# Altium PCB PCBDesign.PcbDoc (part 7 of 8) (continued)
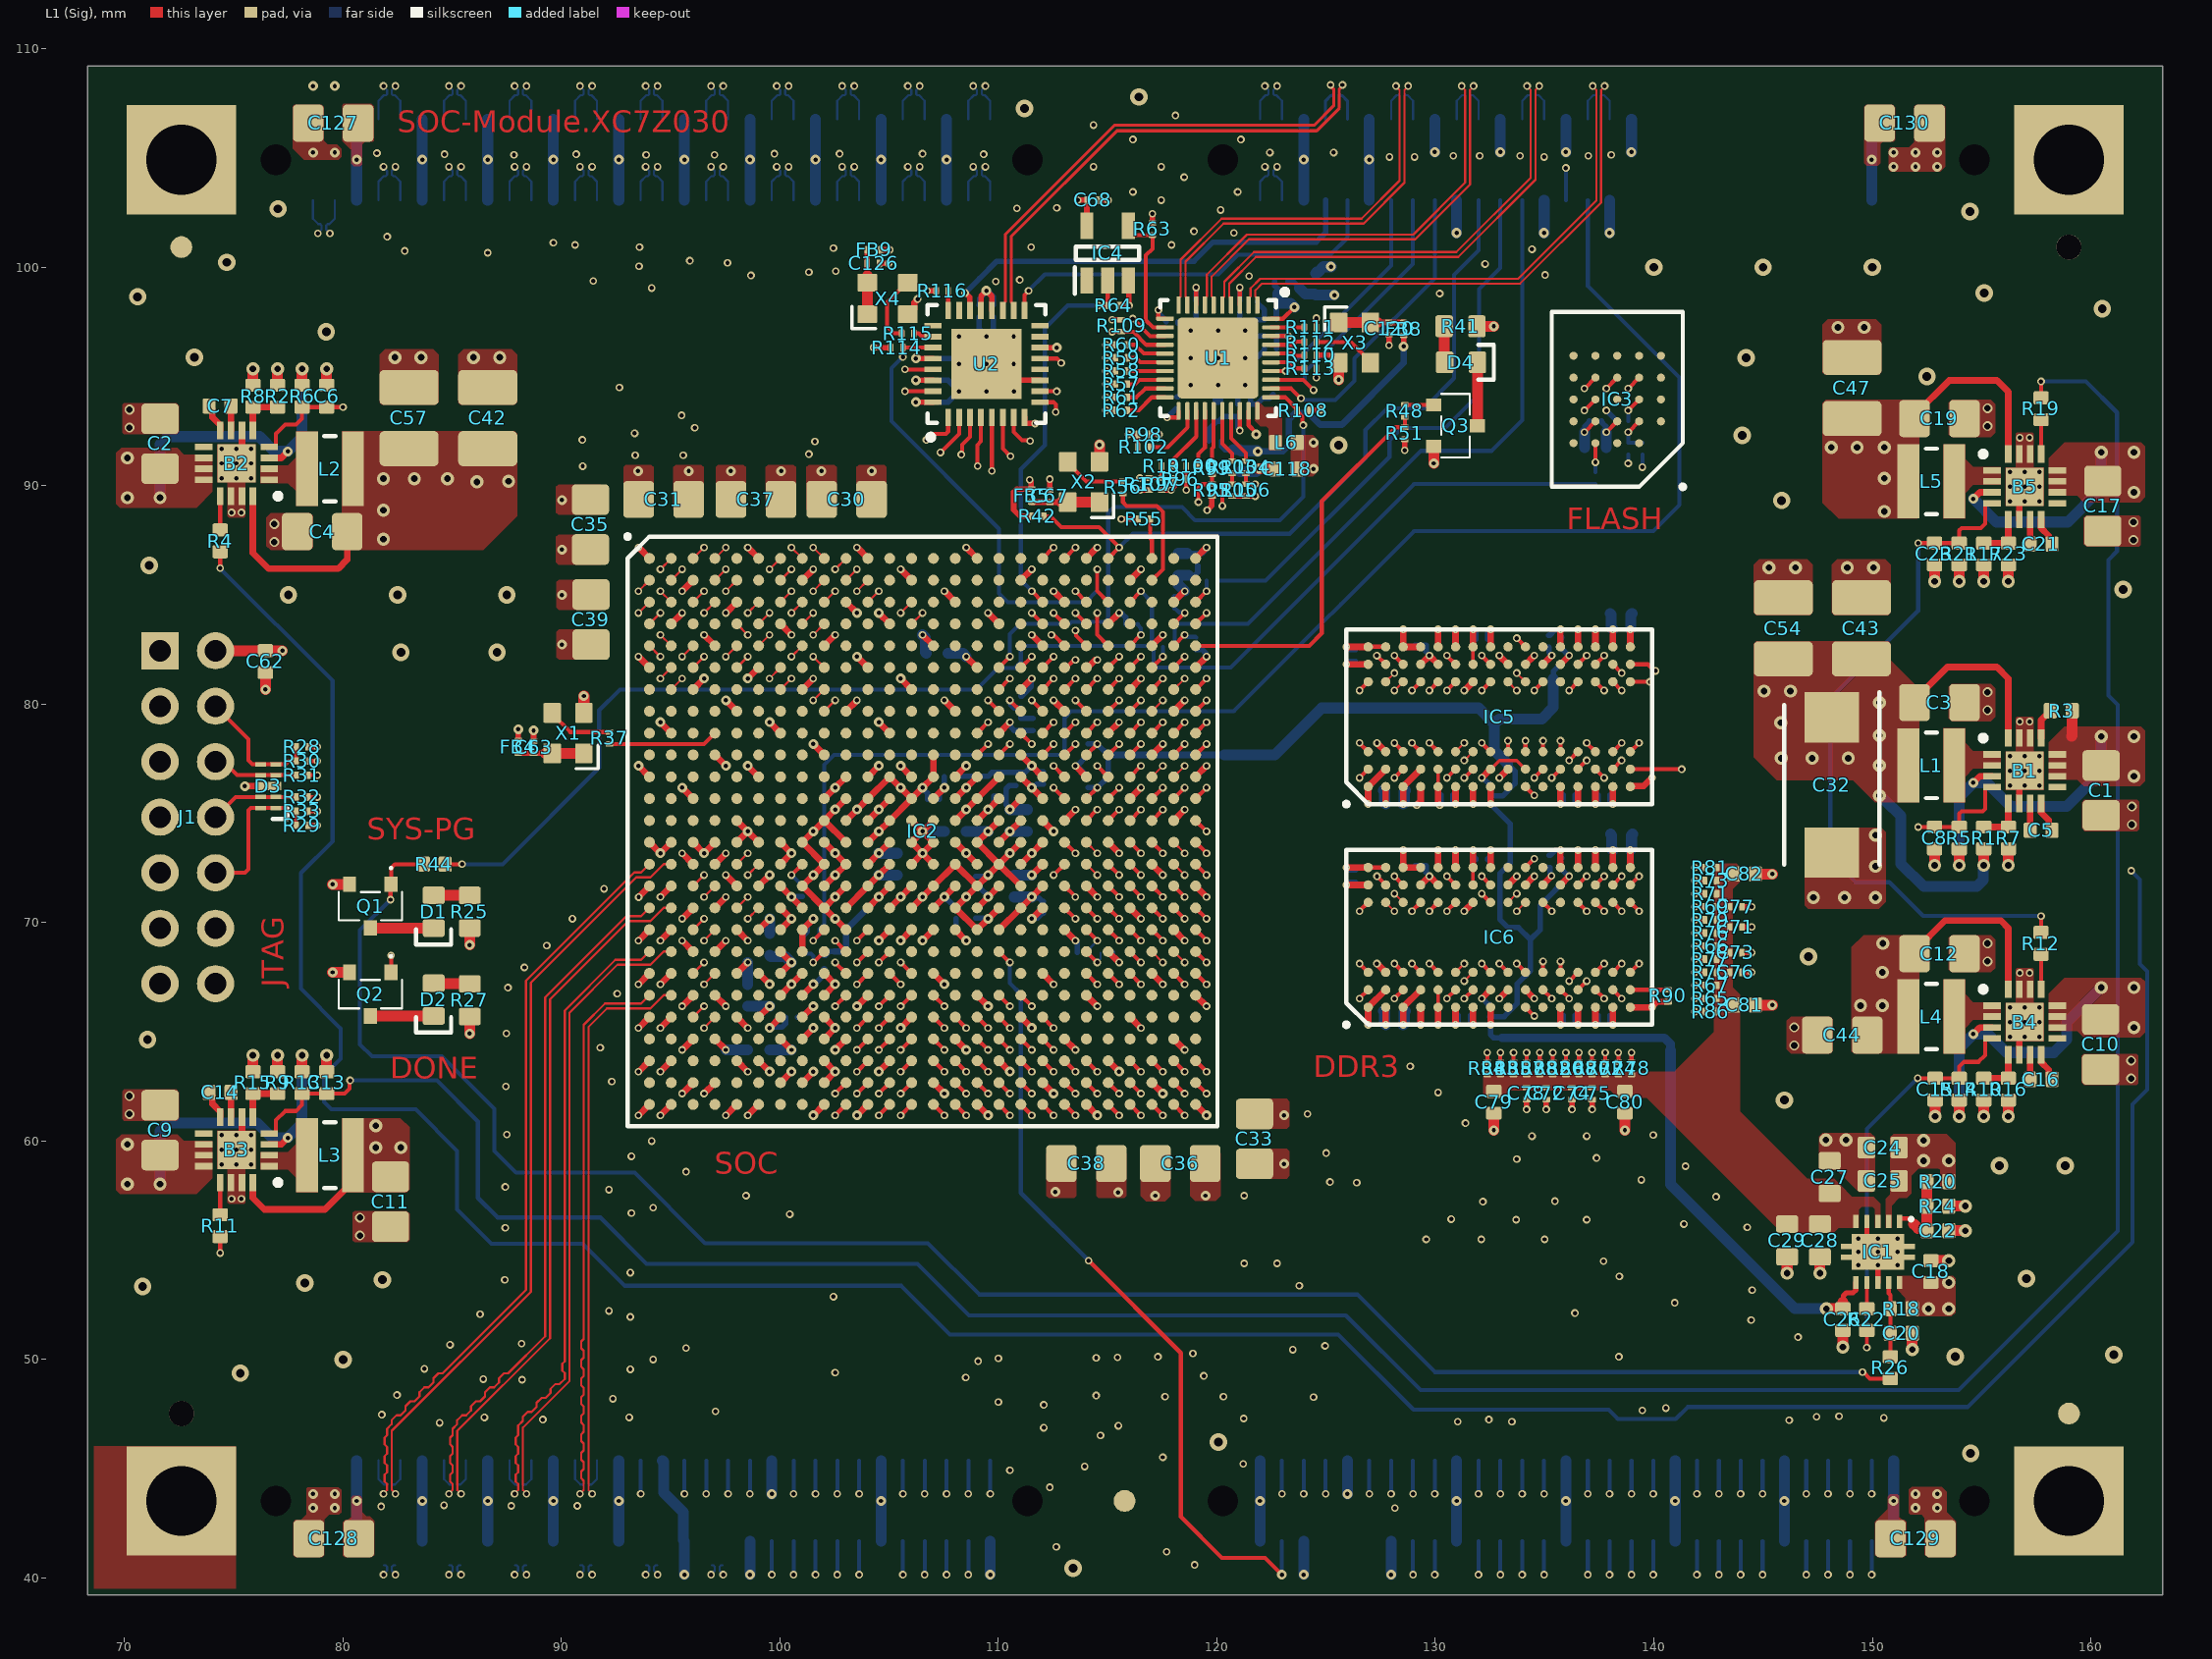
[diagram p0: L1 (Sig) view]
## Nets (pads, with @x,y where several pads share a name; then routed paths per layer and width w, separated by ;. In a path a pad name is that pad's centre, name@x,y a point inside that pad or via, vN(x,y) a via of type N, cw(c..) or ccw(c..) an arc to the next point about the centre after c; other vN are vias at no path point) (continued)
  other v1: 118.975,40.6 117.7,41.2 112.65,41.425 128.15,43.2 81.75,43.275 87.7,43.3 90.725,43.3 84.625,43.325 112.35,44.15 110.525,44.925 113.95,45.1 121.2,45.225 117.525,45.525 114.675,46.525 112.075,46.875 115.491,46.966 84.425,47.1 131.025,47.15 133.5,47.15 146.2,47.225 89.15,47.25 132.45,47.25 121.225,47.3 150.525,47.325 86.475,47.35 93.1,47.35 147.45,47.375 148.475,47.4 81.775,47.475 97.05,47.625 139.475,47.675 140.55,47.775 112.075,47.925 110,48.05 92.35,48.2 124.425,48.275 117.625,48.3 120.3,48.3 114.475,48.35 82.475,48.375 88.2,49.075 86.425,49.1 108.5,49.175 119.4,49.25 102.525,49.4 93.15,49.55 83.725,49.575 109.075,49.925 94.2,50 110,50.05 114.475,50.075 115.45,50.1 117.3,50.125 138.4,50.125 118.9,50.275 123.475,50.45 95.7,50.525 124.95,50.625 84.9,50.675 88.175,50.725 146.6,51.025 144.45,51.8 93.15,51.95 86.275,52.075 136.385,52.126 92.175,52.225 140.95,52.6 102.45,52.875 144.5,53.175 123.775,53.375 87.4,53.65 138.425,53.8 93.15,53.975 149.35,54.325 151.15,54.325 121.25,54.4 122.75,54.4 137.7,54.5 149.35,54.925 151.15,54.925 129.575,55.5 132.1,55.5 135,55.5 149.35,55.525 150.25,55.525 151.15,55.525 87.425,56.025 144.275,56.05 141.375,56.2 133.7,56.4 136.925,56.4 130.725,56.425 100.45,56.65 93.2,56.7 94.2,56.95 132.175,57.225 135.475,57.25 74.9,57.35 75.35,57.35 142.85,57.45 98.45,57.5 121.25,57.5 92.175,57.775 87.425,57.9 126.4,58.1 125.175,58.125 139.425,58.225 95.7,58.6 141.45,58.85 74.45,58.925 75.125,58.925 75.8,58.925 133.725,59.175 137.375,59.225 93.2,59.3 125,59.45 74.45,59.6 75.8,59.6 94.125,60 134.425,60.225 136.925,60.225 74.45,60.273 75.125,60.273 75.8,60.273 139.975,60.275 87.5,60.3 131.375,60.825 124.15,61.243 130.125,62.225 87.45,62.5 92.3,62.725 128.85,63.425 91.775,64.275 156.3,64.777 156.975,64.777 157.65,64.777 87.475,64.925 156.3,65.45 157.65,65.45 156.3,66.125 156.975,66.125 157.65,66.125 92.55,66.75 87.55,67.025 156.75,67.7 157.2,67.7 88.3,67.95 89.325,68.95 90.5,70.175 91.95,71.55 156.3,76.277 156.975,76.277 157.65,76.277 156.3,76.95 157.65,76.95 156.3,77.625 156.975,77.625 157.65,77.625 156.75,79.2 157.2,79.2 74.9,88.775 75.35,88.775 156.3,89.277 156.975,89.277 157.65,89.277 156.3,89.95 157.65,89.95 74.45,90.35 75.125,90.35 75.8,90.35 156.3,90.625 156.975,90.625 157.65,90.625 90.971,90.896 74.45,91.025 75.8,91.025 93.375,91.4 95.575,91.4 101.325,91.45 74.45,91.698 75.125,91.698 75.8,91.698 101.6,92.025 90.95,92.1 156.75,92.2 157.2,92.2 93.35,92.4 96.1,92.65 95.5,93.225 109.45,94.325 110.702,94.325 92.65,94.5 110.7,95.575 118.8,95.85 120.05,95.85 108.2,96.825 110.7,96.825 120.05,97.1 130.2,98.8 94.125,99.05 109.875,99.35 91.45,99.375 110.975,99.425 121.475,99.6 98.675,99.625 135.025,99.65 101.325,99.775 102.55,99.825 93.55,100.05 132.275,100.15 97.6,100.2 95.875,100.3 86.625,100.664 82.825,100.75 134.425,100.825 102.45,100.875 93.575,100.925 111.5,100.925 90.625,101.025 117.925,101.025 89.625,101.127 82.025,101.4 120.775,101.577 118.95,101.65 120.175,102.625 110.85,102.7 112.675,102.725 117.45,103.075 116.158,103.45 120.95,103.45 118.5,104.125 114.35,104.6 117.45,104.6 127.9,105.05 129.05,105.05 134.975,105.05 130.825,105.1 132.025,105.1 133.875,105.1 137,105.1 87.825,105.15 93.875,105.15 97,105.15 138.05,105.15 84.65,105.175 90.675,105.175 109.325,105.175 99.75,105.2 102.725,105.2 106.525,105.2 81.55,105.225 122.425,105.25 125.345,105.25 116.158,105.85 121.1,105.85 114.35,106.51 118.1,106.95
  other v2: 117.175,57.5 115.475,57.65 123.075,61.175 102.525,73.175 108.525,73.175 105.525,76.175 90.025,85 90.025,89.35 93.508,90.675 100.05,90.675 104.2,90.675
  other v3: 147.875,60.05 148.8,60.05 147.3,71.15 148.725,71.15 150.15,71.15 150.15,72.575 150.15,74 145.275,86.25 146.475,86.25 148.85,86.25 150.05,86.25 82.375,95.875 83.575,95.875 85.975,95.875 87.175,95.875 148.425,97.25 149.625,97.25
  other v4: 113.425,40.45 154.5,45.7 120.075,46.225 75.3,49.375 80,50 153.8,50.125 161.05,50.225 70.825,53.35 78.25,53.5 81.8,53.65 157.05,53.7 155.825,58.875 158.825,58.875 145.975,61.875 71.05,64.65 147.075,68.45 82.65,82.375 87.05,82.375 77.5,85 82.5,85 87.5,85 161.475,85.25 71.125,86.35 145.85,89.325 125.575,91.85 144.05,92.3 152.5,95 144.225,95.85 73.2,95.875 79.235,97.05 160.525,98.1 70.6,98.65 155.125,98.825 140,100 145,100 150,100 74.675,100.225 154.475,102.55 77.025,102.675 111.2,107.275 116.425,107.8
  other v5: 80.775,55.675 80.775,56.5 70.225,61.236 70.225,62.061 161.85,62.864 161.85,63.689 146.425,64.375 146.425,65.2 155.275,68.225 155.275,69.05 161.875,74.489 161.875,75.314 155.275,79.725 155.275,80.55 76.85,87.425 161.95,87.514 76.85,88.25 161.95,88.339 70.225,92.661 155.275,92.725 70.225,93.486 155.275,93.55
INIT_B: IC2.R8 R34.1 | length 1.4
  L1 (Sig) w0.185: v1(100.525,72.175) IC2.R8@101.025,72.675
  L10 (Sig) w0.185: v1(100.525,72.175) 100.55,72.175 100.975,71.75 R34.1@101.025,71.75
JTAG_TCK: D3.47 J1.6 R31.1 | length 3.9
  L1 (Sig) w0.185: J1.6@74.165,77.365 74.53,77.365 75.145,76.75 D3.47@76.225,76.75 D3.47@76.925,76.75 R31.1@77.85,76.75
JTAG_TDI: D3.110 J1.10 R29.1 R33.1 | length 7.2
  L1 (Sig) w0.185: J1.10@74.165,72.285 75.51,72.285 75.675,72.45 75.675,75.142 75.783,75.25 D3.110@76.225,75.25 D3.110@76.925,75.25 77.375,75.25 77.525,75.1 R33.1@77.85,75.1 R29.1@77.85,74.45
JTAG_TDO: D3.29 J1.8 R32.1 | length 4.1
  L1 (Sig) w0.185: J1.8@74.165,74.825 75.09,75.75 D3.29@76.225,75.75 D3.29@76.925,75.75 R32.1@77.85,75.75
JTAG_TMS: D3.56 J1.4 R28.1 R30.1 | length 6.1
  L1 (Sig) w0.185: J1.4@74.165,79.905 75.675,78.395 75.675,77.425 75.85,77.25 D3.56@76.225,77.25 D3.56@76.925,77.25 77.375,77.25 77.525,77.4 R30.1@77.85,77.4 R28.1@77.85,78.05
MGT_REFCLK_0_N: IC2.R5 J5.33 | length 41.4
  L1 (Sig) w0.1: IC2.R5@98.025,72.675 v1(98.525,73.175)
  L3 (Sig) w0.09: v1(93.85,40.15) 93.85,40.178 94.005,40.333 94.005,41.796 94.005,42.451 93.035,43.421 93.035,46.176 91.575,47.636 91.575,63.089 92.261,63.775 96.31,63.775 96.91,64.375 96.91,72.479 97.226,72.795 98.472,72.795 98.525,72.848 v1(98.525,73.175)
  L10 (Sig) w0.1: v1@93.85,40.169 94.015,40.334 94.015,40.516 93.956,40.575 J5.33@93.875,40.575
MGT_REFCLK_0_P: IC2.R6 J5.31 | length 41.4
  L1 (Sig) w0.1: v1(98.525,72.175) IC2.R6@99.025,72.675
  L3 (Sig) w0.09: v1(94.4,40.15) 94.4,40.178 94.245,40.333 94.245,40.595 94.4,40.75 94.4,41.05 94.245,41.205 94.245,41.505 94.4,41.66 94.4,41.96 94.245,42.115 94.245,42.55 94.075,42.72 94.075,42.975 93.85,43.2 93.595,43.2 93.275,43.52 93.275,46.275 91.815,47.735 91.815,62.99 92.36,63.535 96.409,63.535 97.15,64.276 97.15,72.38 97.325,72.555 98.472,72.555 98.525,72.502 v1(98.525,72.175)
  L10 (Sig) w0.1: J5.31@94.375,40.575 94.294,40.575 94.235,40.516 94.235,40.334 v1@94.4,40.169
MGT_REFCLK_1_N: IC2.U5 J5.27 | length 39.1
  L1 (Sig) w0.1: IC2.U5@98.025,70.675 v1(98.525,71.175)
  L3 (Sig) w0.09: v1(96.85,40.15) 96.85,40.178 97.005,40.333 97.005,41.506 95.01,43.501 95.01,46.501 92.535,48.976 92.535,61.999 93.336,62.8 97.075,62.8 97.91,63.635 97.91,70.504 98.201,70.795 98.472,70.795 98.525,70.848 v1(98.525,71.175)
  L10 (Sig) w0.1: v1@96.85,40.169 97.015,40.334 97.015,40.516 96.956,40.575 J5.27@96.875,40.575
MGT_REFCLK_1_P: IC2.U6 J5.25 | length 39.1
  L1 (Sig) w0.1: v1(98.525,70.175) IC2.U6@99.025,70.675
  L3 (Sig) w0.09: v1(97.4,40.15) 97.4,40.178 97.245,40.333 97.245,40.595 97.4,40.75 97.4,41.05 97.245,41.205 97.245,41.605 97.075,41.775 97.075,42.025 96.825,42.275 96.575,42.275 96.325,42.525 96.325,42.775 96.075,43.025 95.825,43.025 95.25,43.6 95.25,46.6 92.775,49.075 92.775,61.9 93.435,62.56 97.174,62.56 98.15,63.536 98.15,70.405 98.3,70.555 98.472,70.555 98.525,70.502 v1(98.525,70.175)
  L10 (Sig) w0.1: J5.25@97.375,40.575 97.294,40.575 97.235,40.516 97.235,40.334 v1@97.4,40.169
MGT_RX_0_N: IC2.AB3 J5.39 | length 33.3
  L1 (Sig) w0.1: IC2.AB3@96.025,65.675 v1(96.525,66.175)
  L3 (Sig) w0.09: v1(90.85,40.15) 90.85,40.178 91.005,40.333 91.005,42.905 91.885,43.785 91.885,44.901 90.66,46.126 90.66,64.474 91.981,65.795 96.472,65.795 96.525,65.848 v1(96.525,66.175)
  L10 (Sig) w0.1: v1@90.85,40.169 91.015,40.334 91.015,40.516 90.956,40.575 J5.39@90.875,40.575
MGT_RX_0_P: IC2.AB4 J5.37 | length 33.3
  L1 (Sig) w0.1: v1(96.525,65.175) IC2.AB4@97.025,65.675
  L3 (Sig) w0.09: v1(91.4,40.15) 91.4,40.178 91.245,40.333 91.245,40.595 91.4,40.75 91.4,41.05 91.245,41.205 91.245,41.505 91.4,41.66 91.4,41.96 91.245,42.115 91.245,42.806 91.415,42.976 91.601,42.976 91.895,43.27 91.895,43.456 92.125,43.686 92.125,45 90.9,46.225 90.9,64.375 92.08,65.555 96.472,65.555 96.525,65.502 v1(96.525,65.175)
  L10 (Sig) w0.1: J5.37@91.375,40.575 91.294,40.575 91.235,40.516 91.235,40.334 v1@91.4,40.169
MGT_RX_1_N: IC2.Y3 J5.45 | length 35.3
  L1 (Sig) w0.1: IC2.Y3@96.025,67.675 v1(96.525,68.175)
  L3 (Sig) w0.09: v1(87.85,40.15) 87.85,40.178 88.005,40.333 88.005,42.93 88.885,43.81 88.885,46.285 89.785,47.185 89.785,65.124 92.456,67.795 96.472,67.795 96.525,67.848 v1(96.525,68.175)
  L10 (Sig) w0.1: v1@87.85,40.169 88.015,40.334 88.015,40.516 87.956,40.575 J5.45@87.875,40.575
MGT_RX_1_P: IC2.Y4 J5.43 | length 35.2
  L1 (Sig) w0.1: v1(96.525,67.175) IC2.Y4@97.025,67.675
  L3 (Sig) w0.09: v1(88.4,40.15) 88.4,40.178 88.245,40.333 88.245,40.595 88.4,40.75 88.4,41.05 88.245,41.205 88.245,41.505 88.4,41.66 88.4,41.96 88.245,42.115 88.245,42.831 88.415,43.001 88.626,43.001 88.895,43.27 88.895,43.481 89.125,43.711 89.125,46.186 90.025,47.086 90.025,65.025 92.555,67.555 96.472,67.555 96.525,67.502 v1(96.525,67.175)
  L10 (Sig) w0.1: J5.43@88.375,40.575 88.294,40.575 88.235,40.516 88.235,40.334 v1@88.4,40.169
MGT_RX_2_N: IC2.V3 J5.51 | length 38.2
  L1 (Sig) w0.1: IC2.V3@96.025,69.675 v1(96.525,70.175)
  L3 (Sig) w0.09: v1(84.85,40.15) 84.85,40.178 85.005,40.333 85.005,42.93 85.885,43.81 85.885,46.185 88.885,49.185 88.885,65.724 92.956,69.795 96.472,69.795 96.525,69.848 v1(96.525,70.175)
  L10 (Sig) w0.1: v1@84.85,40.169 85.015,40.334 85.015,40.516 84.956,40.575 J5.51@84.875,40.575
MGT_RX_2_P: IC2.V4 J5.49 | length 38.2
  L1 (Sig) w0.1: v1(96.525,69.175) IC2.V4@97.025,69.675
  L3 (Sig) w0.09: v1(85.4,40.15) 85.4,40.178 85.245,40.333 85.245,40.595 85.4,40.75 85.4,41.05 85.245,41.205 85.245,41.505 85.4,41.66 85.4,41.96 85.245,42.115 85.245,42.831 85.415,43.001 85.701,43.001 85.895,43.195 85.895,43.481 86.125,43.711 86.125,46.086 89.125,49.086 89.125,65.625 93.055,69.555 96.472,69.555 96.525,69.502 v1(96.525,69.175)
  L10 (Sig) w0.1: J5.49@85.375,40.575 85.294,40.575 85.235,40.516 85.235,40.334 v1@85.4,40.169
MGT_RX_3_N: IC2.T3 J5.57 | length 41.2
  L1 (Sig) w0.1: IC2.T3@96.025,71.675 v1(96.525,72.175)
  L3 (Sig) w0.09: v1(81.85,40.15) 81.85,40.178 82.005,40.333 82.005,42.905 82.885,43.785 82.885,46.585 88.01,51.71 88.01,66.499 93.306,71.795 96.472,71.795 96.525,71.848 v1(96.525,72.175)
  L10 (Sig) w0.1: v1@81.85,40.169 82.015,40.334 82.015,40.516 81.956,40.575 J5.57@81.875,40.575
MGT_RX_3_P: IC2.T4 J5.55 | length 41.3
  L1 (Sig) w0.1: v1(96.525,71.175) IC2.T4@97.025,71.675
  L3 (Sig) w0.09: v1(82.4,40.15) 82.4,40.178 82.245,40.333 82.245,40.595 82.4,40.75 82.4,41.05 82.245,41.205 82.245,41.505 82.4,41.66 82.4,41.96 82.245,42.115 82.245,42.806 82.415,42.976 82.701,42.976 82.895,43.17 82.895,43.456 83.125,43.686 83.125,46.486 88.25,51.611 88.25,66.4 93.405,71.555 96.472,71.555 96.525,71.502 v1(96.525,71.175)
  L10 (Sig) w0.1: J5.55@82.375,40.575 82.294,40.575 82.235,40.516 82.235,40.334 v1@82.4,40.169
MGT_TX_0_N: IC2.AA1 J5.40 | length 27.7
  L1 (Sig) w0.1: v1(90.85,43.85) 90.85,43.869 91.015,44.034 91.015,44.45 90.9,44.565 90.9,44.875 91.015,44.99 91.015,45.3 90.9,45.415 90.9,45.725 91.015,45.84 91.015,46.15 90.9,46.265 90.9,46.575 91.015,46.69 91.015,47 90.9,47.115 90.9,47.425 91.015,47.54 91.015,47.85 90.9,47.965 90.9,48.275 91.015,48.39 91.015,48.7 90.9,48.815 90.9,49.125 91.015,49.24 91.015,49.55 90.9,49.665 90.9,49.975 91.015,50.09 91.015,50.4 90.9,50.515 90.9,50.825 91.015,50.94 91.015,65.316 91.994,66.295 93.645,66.295 IC2.AA1@94.025,66.675
  L10 (Sig) w0.1: J5.40@90.625,45.375 90.625,44.525 90.875,44.275 90.956,44.275 91.015,44.216 91.015,44.034 90.85,43.869 v1(90.85,43.85)
MGT_TX_0_P: IC2.AA2 J5.38 | length 27.6
  L1 (Sig) w0.1: v1(91.4,43.85) 91.4,43.869 91.235,44.034 91.235,65.225 92.085,66.075 92.725,66.075 94.075,66.075 94.675,66.675 IC2.AA2@95.025,66.675
  L10 (Sig) w0.1: v1(91.4,43.85) 91.4,43.869 91.235,44.034 91.235,44.216 91.294,44.275 91.375,44.275 91.625,44.525 J5.38@91.625,45.375
MGT_TX_1_N: IC2.W1 J5.46 | length 30.6
  L1 (Sig) w0.1: v1(87.85,43.85) 87.85,43.869 88.015,44.034 88.015,44.3 87.9,44.415 87.9,44.725 88.015,44.84 88.015,45.15 87.9,45.265 87.9,45.575 88.015,45.69 88.015,46 87.9,46.115 87.9,46.425 88.015,46.54 88.015,46.976 88.225,47.186 88.225,47.375 88.45,47.6 88.639,47.6 88.864,47.825 88.864,48.014 89.089,48.239 89.278,48.239 89.503,48.464 89.503,48.653 89.728,48.878 89.917,48.878 90.15,49.111 90.15,49.378 90.035,49.493 90.035,49.803 90.15,49.918 90.15,65.975 92.47,68.295 93.645,68.295 IC2.W1@94.025,68.675
  L10 (Sig) w0.1: J5.46@87.625,45.375 87.625,44.525 87.875,44.275 87.956,44.275 88.015,44.216 88.015,44.034 87.85,43.869 v1(87.85,43.85)
MGT_TX_1_P: IC2.W2 J5.44 | length 30.6
  L1 (Sig) w0.1: v1(88.4,43.85) 88.4,43.869 88.235,44.034 88.235,46.885 90.37,49.02 90.37,65.884 92.561,68.075 92.725,68.075 94.075,68.075 94.215,68.215 94.675,68.675 IC2.W2@95.025,68.675
  L10 (Sig) w0.1: v1(88.4,43.85) 88.4,43.869 88.235,44.034 88.235,44.216 88.294,44.275 88.375,44.275 88.625,44.525 J5.44@88.625,45.375
MGT_TX_2_N: IC2.U1 J5.52 | length 33.6
  L1 (Sig) w0.1: v1(84.85,43.85) 84.85,43.869 85.015,44.034 85.015,44.3 84.9,44.415 84.9,44.725 85.015,44.84 85.015,45.15 84.9,45.265 84.9,45.575 85.015,45.69 85.015,46 84.9,46.115 84.9,46.425 85.015,46.54 85.015,46.826 85.225,47.036 85.225,47.225 85.45,47.45 85.639,47.45 85.864,47.675 85.864,47.864 86.089,48.089 86.278,48.089 86.503,48.314 86.503,48.503 86.728,48.728 86.917,48.728 87.142,48.953 87.142,49.142 87.367,49.367 87.555,49.367 89.255,51.066 89.255,66.58 92.97,70.295 93.645,70.295 IC2.U1@94.025,70.675
  L10 (Sig) w0.1: J5.52@84.625,45.375 84.625,44.525 84.875,44.275 84.956,44.275 85.015,44.216 85.015,44.034 84.85,43.869 v1(84.85,43.85)
MGT_TX_2_P: IC2.U2 J5.50 | length 33.6
  L1 (Sig) w0.1: v1(85.4,43.85) 85.4,43.869 85.235,44.034 85.235,46.735 89.475,50.975 89.475,66.489 92.725,69.739 93.061,70.075 94.075,70.075 94.675,70.675 IC2.U2@95.025,70.675
  L10 (Sig) w0.1: v1(85.4,43.85) 85.4,43.869 85.235,44.034 85.235,44.216 85.294,44.275 85.375,44.275 85.625,44.525 J5.50@85.625,45.375
MGT_TX_3_N: IC2.R1 J5.58 | length 36.6
  L1 (Sig) w0.1: v1(81.85,43.85) 81.85,43.869 82.015,44.034 82.015,44.3 81.9,44.415 81.9,44.725 82.015,44.84 82.015,45.15 81.9,45.265 81.9,45.575 82.015,45.69 82.015,46 81.9,46.115 81.9,46.425 82.015,46.54 82.015,46.826 82.225,47.036 82.225,47.225 82.45,47.45 82.639,47.45 82.864,47.675 82.864,47.864 83.089,48.089 83.278,48.089 83.503,48.314 83.503,48.503 83.728,48.728 83.917,48.728 84.142,48.953 84.142,49.142 84.367,49.367 84.555,49.367 88.38,53.191 88.38,67.341 93.334,72.295 93.645,72.295 IC2.R1@94.025,72.675
  L10 (Sig) w0.1: J5.58@81.625,45.375 81.625,44.525 81.875,44.275 81.956,44.275 82.015,44.216 82.015,44.034 81.85,43.869 v1(81.85,43.85)
MGT_TX_3_P: IC2.R2 J5.56 | length 36.6
  L1 (Sig) w0.1: v1(82.4,43.85) 82.4,43.869 82.235,44.034 82.235,46.735 88.6,53.1 88.6,67.25 92.725,71.375 93.425,72.075 94.075,72.075 94.675,72.675 IC2.R2@95.025,72.675
  L10 (Sig) w0.1: v1(82.4,43.85) 82.4,43.869 82.235,44.034 82.235,44.216 82.294,44.275 82.375,44.275 82.625,44.525 J5.56@82.625,45.375
MGTREF: IC2.AB8 R38.1 | length 1.6
  L1 (Sig) w0.3: IC2.AB8@101.025,65.675 v2(101.525,66.175)
  L10 (Sig) w0.25: R38.1@100.8,65.675 101.025,65.675 v2(101.525,66.175)
MIO_7: IC2.E23 R54.2 | length 1.3
  L1 (Sig) w0.185: IC2.E23@116.025,82.675 v1(116.525,83.175)
  L10 (Sig) w0.185: R54.2@116.375,83.675 116.375,83.625 116.525,83.475 v1(116.525,83.175)
MIO_8: IC2.A24 R55.2 | length 1.8
  L1 (Sig) w0.185: R55.2@116.95,88.475 116.95,87.975 116.95,87.6 117.025,87.525 IC2.A24@117.025,86.675
MIO_VREF: C64.1 IC2.H18 R39.2 R40.1 | length 2.5
  L1 (Sig) w0.185: v1(110.525,80.175) IC2.H18@111.025,79.675
  L10 (Sig) w0.25: v1(110.525,80.175) 110.544,80.156 110.544,80.002 110.721,79.825 R39.2@111.025,79.825 R40.1@111.025,79.35 C64.1@111.575,79.35
NetD1_A: D1.A R25.1 | length 1.6
  L1 (Sig) w0.5: D1.A@84.15,71.25 R25.1@85.8,71.25
NetD1_K: D1.K Q1.3 | length 2.9
  L1 (Sig) w0.5: Q1.3@81.25,69.75 D1.K@84.15,69.75
NetD2_A: D2.A R27.1 | length 1.7
  L1 (Sig) w0.5: D2.A@84.15,67.225 84.163,67.213 85.788,67.213 R27.1@85.8,67.2
NetD2_K: D2.K Q2.3 | length 2.9
  L1 (Sig) w0.5: Q2.3@81.25,65.725 D2.K@84.15,65.725
NetD4_A: D4.A R41.1 | length 1.7
  L1 (Sig) w0.5: R41.1@130.4,97.3 130.412,97.287 130.412,95.662 D4.A@130.425,95.65
NetD4_K: D4.K Q3.3 | length 2.9
  L1 (Sig) w0.5: Q3.3@131.925,92.75 D4.K@131.925,95.65
NetQ3_1: Q3.1 R48.1 | length 1.3
  L1 (Sig) w0.185: R48.1@128.6,93.7 Q3.1@129.925,93.7
PL_CLK_100M: IC2.J4 R37.2 | length 5
  L1 (Sig) w0.185: R37.2@92.2,78.175 96.525,78.175 IC2.J4@97.025,78.675
PL_CLK_OUT: R37.1 X1.3 | length 2.9
  L1 (Sig) w0.185: X1.3@89.575,79.6 89.575,79.55 90.4,78.725 R37.1@92.075,78.725
PROGRAM_B: IC2.V9 J2.33 R36.1 | length 69.6
  L1 (Sig) w0.185: v1(101.525,69.175) IC2.V9@102.025,69.675
  L10 (Sig) w0.185: v1(101.525,69.175) 101.55,69.175 101.8,69.425 R36.1@101.8,69.65 101.8,69.7 102.025,69.925 102.025,77.225 102.475,77.675 112.825,77.675 113.025,77.875 113.025,79.375 113.325,79.675 120.775,79.675 124.75,83.65 125.7,84.6 129.025,87.925 139.975,87.925 141.175,89.125 141.175,94.95 136.975,99.15 J2.33@136.975,103.075
PS_CLK_33M333: IC2.B24 R56.2 | length 5.7
  L1 (Sig) w0.185: R56.2@115.7,89.65 115.7,89.25 115.875,89.075 117.25,89.075 117.525,88.8 117.525,87.975 117.525,86.175 IC2.B24@117.025,85.675
PS_CLK_OUT: R56.1 X2.3 | length 2.9
  L1 (Sig) w0.185: X2.3@113.175,91.1 113.175,91.05 114.025,90.2 R56.1@115.7,90.2
PS_LED: IC2.E26 R48.2 R51.2 | length 17.7
  L1 (Sig) w0.185: IC2.E26@119.025,82.675 120.225,82.675 124.225,82.675 124.8,83.25 124.8,84.6 124.8,89.3 128.175,92.675 R51.2@128.6,92.675 R48.2@128.6,93.15
PS_NPOR: IC2.C23 R44.2 R47.2 | length 66.4
  L1 (Sig) w0.185: R44.2@84.675,72.675 v1(85.45,72.675) ; IC2.C23@116.025,84.675 v1(116.525,85.175)
  L10 (Sig) w0.185: v1(85.45,72.675) 87.3,72.675 91.725,77.1 91.725,79.725 92.675,80.675 109,80.675 109.975,81.65 110.75,81.65 111.025,81.925 111.025,82.475 111.225,82.675 116.917,82.675 ; v1(116.525,85.175) 117.025,84.675 117.025,82.783 116.917,82.675 ; R47.2@137.325,90.075 129.025,90.075 120.625,81.675 120.225,81.675 117.25,81.675 117.1,81.825 117.1,82.575 117,82.675 116.917,82.675
PS_SRST: IC2.A22 J2.43 R42.1 | length 32.6
  L1 (Sig) w0.185: R42.1@112.075,88.6 112.375,88.6 112.875,88.1 114.6,88.1 v1(115.525,87.175) IC2.A22@115.025,86.675
  L10 (Sig) w0.185: v1(115.525,87.175) 116.15,87.8 123.325,87.8 126.8,91.275 126.8,92.55 127.8,93.55 129.475,93.55 130.85,94.925 130.85,99.65 131.975,100.775 J2.43@131.975,103.075
QSPI_CLK_MIO6: IC2.F23 R45.2 | length 33.3
  L1 (Sig) w0.185: IC2.F23@116.025,81.675 v1(116.525,82.175)
  L5 (Sig) w0.1: v1(116.525,82.175) 117.025,82.675 119.825,82.675 122.4,85.25 135.675,85.25 136.287,85.862 136.323,85.898 136.323,85.984 136.179,86.128 136.179,86.214 136.523,86.558 136.609,86.558 137.273,85.893 137.359,85.893 137.703,86.237 137.703,86.323 137.039,86.988 137.039,87.074 137.383,87.417 137.469,87.417 138.133,86.753 138.219,86.753 138.563,87.097 138.563,87.183 137.899,87.847 137.899,87.933 138.243,88.277 138.329,88.277 138.472,88.133 138.558,88.133 138.912,88.487 139.475,89.05 v1(139.475,90.85)
  L10 (Sig) w0.185: v1(139.475,90.85) R45.2@139.475,91.425
QSPI_DQ0_MIO2: IC2.E25 IC3.D3 R49.2 | length 32
  L1 (Sig) w0.185: IC2.E25@118.025,82.675 v1(118.525,83.175) ; v1(137.825,94.45) IC3.D3@138.325,94.95
  L5 (Sig) w0.1: v1(118.525,83.175) 119.575,83.175 122.3,85.9 134.9,85.9 135.55,86.55 135.585,86.585 135.585,86.671 135.496,86.761 135.496,86.847 135.84,87.191 135.926,87.191 136.243,86.874 136.329,86.874 136.673,87.218 136.673,87.304 136.356,87.621 136.356,87.707 136.7,88.051 136.786,88.051 137.103,87.733 137.189,87.733 137.533,88.077 137.533,88.163 137.216,88.481 137.216,88.566 137.559,88.91 137.645,88.91 137.735,88.821 137.821,88.821 137.912,88.912 138.325,89.325 138.325,93.95 v1(137.825,94.45)
  L10 (Sig) w0.185: v1(118.525,83.175) 118.57,83.175 118.662,83.082 119.018,83.082 R49.2@119.05,83.05
QSPI_DQ1_MIO3: IC2.D25 IC3.D2 R50.2 | length 30.6
  L1 (Sig) w0.185: IC2.D25@118.025,83.675 v1(118.527,84.175) ; v1(138.825,94.45) IC3.D2@139.325,94.95
  L5 (Sig) w0.1: v1(118.527,84.175) 119.025,84.673 119.025,85.675 121.95,88.6 133.075,88.6 134.475,90 134.475,93.85 136.075,95.45 138.525,95.45 138.825,95.15 v1(138.825,94.45)
  L10 (Sig) w0.185: R50.2@118.05,84.375 118.1,84.375 118.268,84.207 118.495,84.207 v1(118.527,84.175)
QSPI_DQ2_MIO4: IC2.F24 IC3.C4 R52.2 | length 33.7
  L1 (Sig) w0.185: IC2.F24@117.025,81.675 v1(117.525,82.175) ; v1(136.825,93.45) IC3.C4@137.325,93.95
  L5 (Sig) w0.1: v1(117.525,82.175) 117.025,81.675 116.125,81.675 116,81.8 116,82.375 116.3,82.675 116.55,82.675 117,83.125 117,83.3 117.4,83.7 119.575,83.7 122.45,86.575 130.625,86.575 130.675,86.575 130.736,86.636 130.736,86.732 130.797,86.793 131.283,86.793 131.344,86.732 131.344,86.53 131.405,86.469 131.891,86.469 131.952,86.53 131.952,86.732 132.013,86.793 132.499,86.793 132.56,86.732 132.56,86.53 132.621,86.469 133.107,86.469 133.168,86.53 133.168,86.732 133.229,86.793 133.715,86.793 133.776,86.732 133.776,86.636 133.837,86.575 134.045,86.575 134.525,86.575 136.425,88.475 136.425,93.05 v1(136.825,93.45)
  L10 (Sig) w0.185: v1(117.525,82.175) R52.2@117.525,82.625
QSPI_DQ3_MIO5: IC2.C26 IC3.D4 R53.2 | length 29
  L1 (Sig) w0.185: IC2.C26@119.025,84.675 v1(119.525,85.175) ; v1(136.825,94.45) IC3.D4@137.325,94.95
  L5 (Sig) w0.1: v1(119.525,85.175) 122.275,87.925 127.858,87.925 127.908,87.925 127.969,87.986 127.969,88.163 128.03,88.224 128.516,88.224 128.577,88.163 128.577,87.682 128.638,87.621 129.124,87.621 129.185,87.682 129.185,88.163 129.246,88.224 129.732,88.224 129.793,88.163 129.793,87.682 129.854,87.621 130.34,87.621 130.401,87.682 130.401,88.163 130.462,88.224 130.948,88.224 131.009,88.163 131.009,87.682 131.07,87.621 131.556,87.621 131.617,87.682 131.617,88.163 131.678,88.224 132.164,88.224 132.225,88.163 132.225,87.986 132.286,87.925 132.933,87.925 133.5,87.925 135.15,89.575 135.15,93.55 136.05,94.45 v1(136.825,94.45)
  L10 (Sig) w0.185: v1(119.525,85.175) R53.2@119.525,85.65
QSPI_NCS: IC2.D26 IC3.C2 R46.1 | length 30.4
  L1 (Sig) w0.185: IC2.D26@119.025,83.675 v1(119.525,84.175) ; v1(138.825,93.45) IC3.C2@139.325,93.95
  L5 (Sig) w0.1: v1(119.525,84.175) 122.6,87.25 134.025,87.25 134.213,87.438 134.248,87.473 134.248,87.559 134.237,87.57 134.237,87.656 134.581,88 134.667,88 134.835,87.831 134.921,87.831 135.265,88.175 135.265,88.261 135.097,88.43 135.097,88.516 135.441,88.86 135.527,88.86 135.538,88.849 135.624,88.849 135.725,88.95 135.85,89.075 135.85,93.125 136.675,93.95 137.125,93.95 137.325,94.15 137.325,94.891 137.384,94.95 138.266,94.95 138.325,94.891 138.325,94.35 138.825,93.85 v1(138.825,93.45)
  L10 (Sig) w0.185: R46.1@138.825,92.95 v1(138.825,93.45)
SYS_PG: J2.35 Q1.1 R26.1 R44.1 | length 157.2
  L1 (Sig) w0.185: Q1.1@82.131,71.819 Q1.1@82.2,71.75 ; v1(82.175,71.05) 82.175,71.725 Q1.1@82.2,71.75 ; R44.1@83.675,72.675 82.375,72.675 82.2,72.5 Q1.1@82.2,71.75 ; v1(149.55,49.425) 149.59,49.425 149.89,49.125 R26.1@150.825,49.125
  L3 (Sig) w0.11: v1(135.975,104.55) 135.975,103.1 136.35,102.725 144,102.725 145.8,100.925 145.8,91.325 147.975,89.15 147.975,70.575 148.325,70.225 148.325,65.075 150.175,63.225 150.175,59.7 152.125,57.75 152.125,53.95 151.025,52.85 151.025,49.9 150.55,49.425 v1(149.55,49.425)
  L10 (Sig) w0.185: v1(82.175,71.05) 80.775,69.65 80.775,64.425 81.325,63.875 84.525,63.875 86.925,61.475 86.925,59.55 87.925,58.55 93.35,58.55 96.575,55.325 106.775,55.325 109.125,52.975 126.425,52.975 129.975,49.425 v1(149.55,49.425) ; J2.35@135.975,103.075 v1(135.975,104.55)
TCK: IC2.W12 R31.2 | length 31.1
  L1 (Sig) w0.185: R31.2@78.4,76.75 v1(78.825,76.75) ; v1(104.525,68.175) IC2.W12@105.025,68.675
  L5 (Sig) w0.11: v1(78.825,76.75) 80.804,76.75 82.179,75.375 88.725,75.375 92.725,71.375 93.425,70.675 103.2,70.675 104.025,69.85 104.025,68.675 v1(104.525,68.175)
TDI: IC2.V11 R33.2 | length 28.7
  L1 (Sig) w0.185: R33.2@78.4,75.1 v1(78.825,75.1) ; v1(103.525,69.175) IC2.V11@104.025,69.675
  L5 (Sig) w0.11: v1(78.825,75.1) 79.7,75.1 80.8,74 87.7,74 92.725,68.975 93.025,68.675 103.025,68.675 v1(103.525,69.175)
TDO: IC2.W10 R32.2 | length 27.6
  L1 (Sig) w0.185: R32.2@78.4,75.75 v1(78.825,75.75) ; v1(102.525,69.175) IC2.W10@103.025,68.675
  L5 (Sig) w0.11: v1(78.825,75.75) 80.154,75.75 81.204,74.7 88.175,74.7 92.725,70.15 93.2,69.675 102.025,69.675 v1(102.525,69.175)
TMS: IC2.W11 R30.2 | length 34
  L1 (Sig) w0.185: R30.2@78.4,77.4 v1(78.825,77.4) ; v1(103.525,68.175) IC2.W11@104.025,68.675
  L5 (Sig) w0.11: v1(78.825,77.4) 82.05,77.4 83.425,76.025 89.35,76.025 92.725,72.65 93.7,71.675 103.025,71.675 105.025,69.675 105.025,68.075 104.625,67.675 104.025,67.675 v1(103.525,68.175)